# Altium PCB RGV_Control_1V21_unpoly.PcbDoc (part 3 of 5)
Units mm, origin at the board's own origin, x right, y up, seen from the top; angles counter-clockwise.
Board outline 221.11 x 150.42 mm, 4 copper layers (Top Layer, GND, Power, Bottom Layer), stack 1.56 mm thick; 530 components, 870 nets, 2373 pads, 590 vias.
Unrouted connection lines stored in the file: 760.
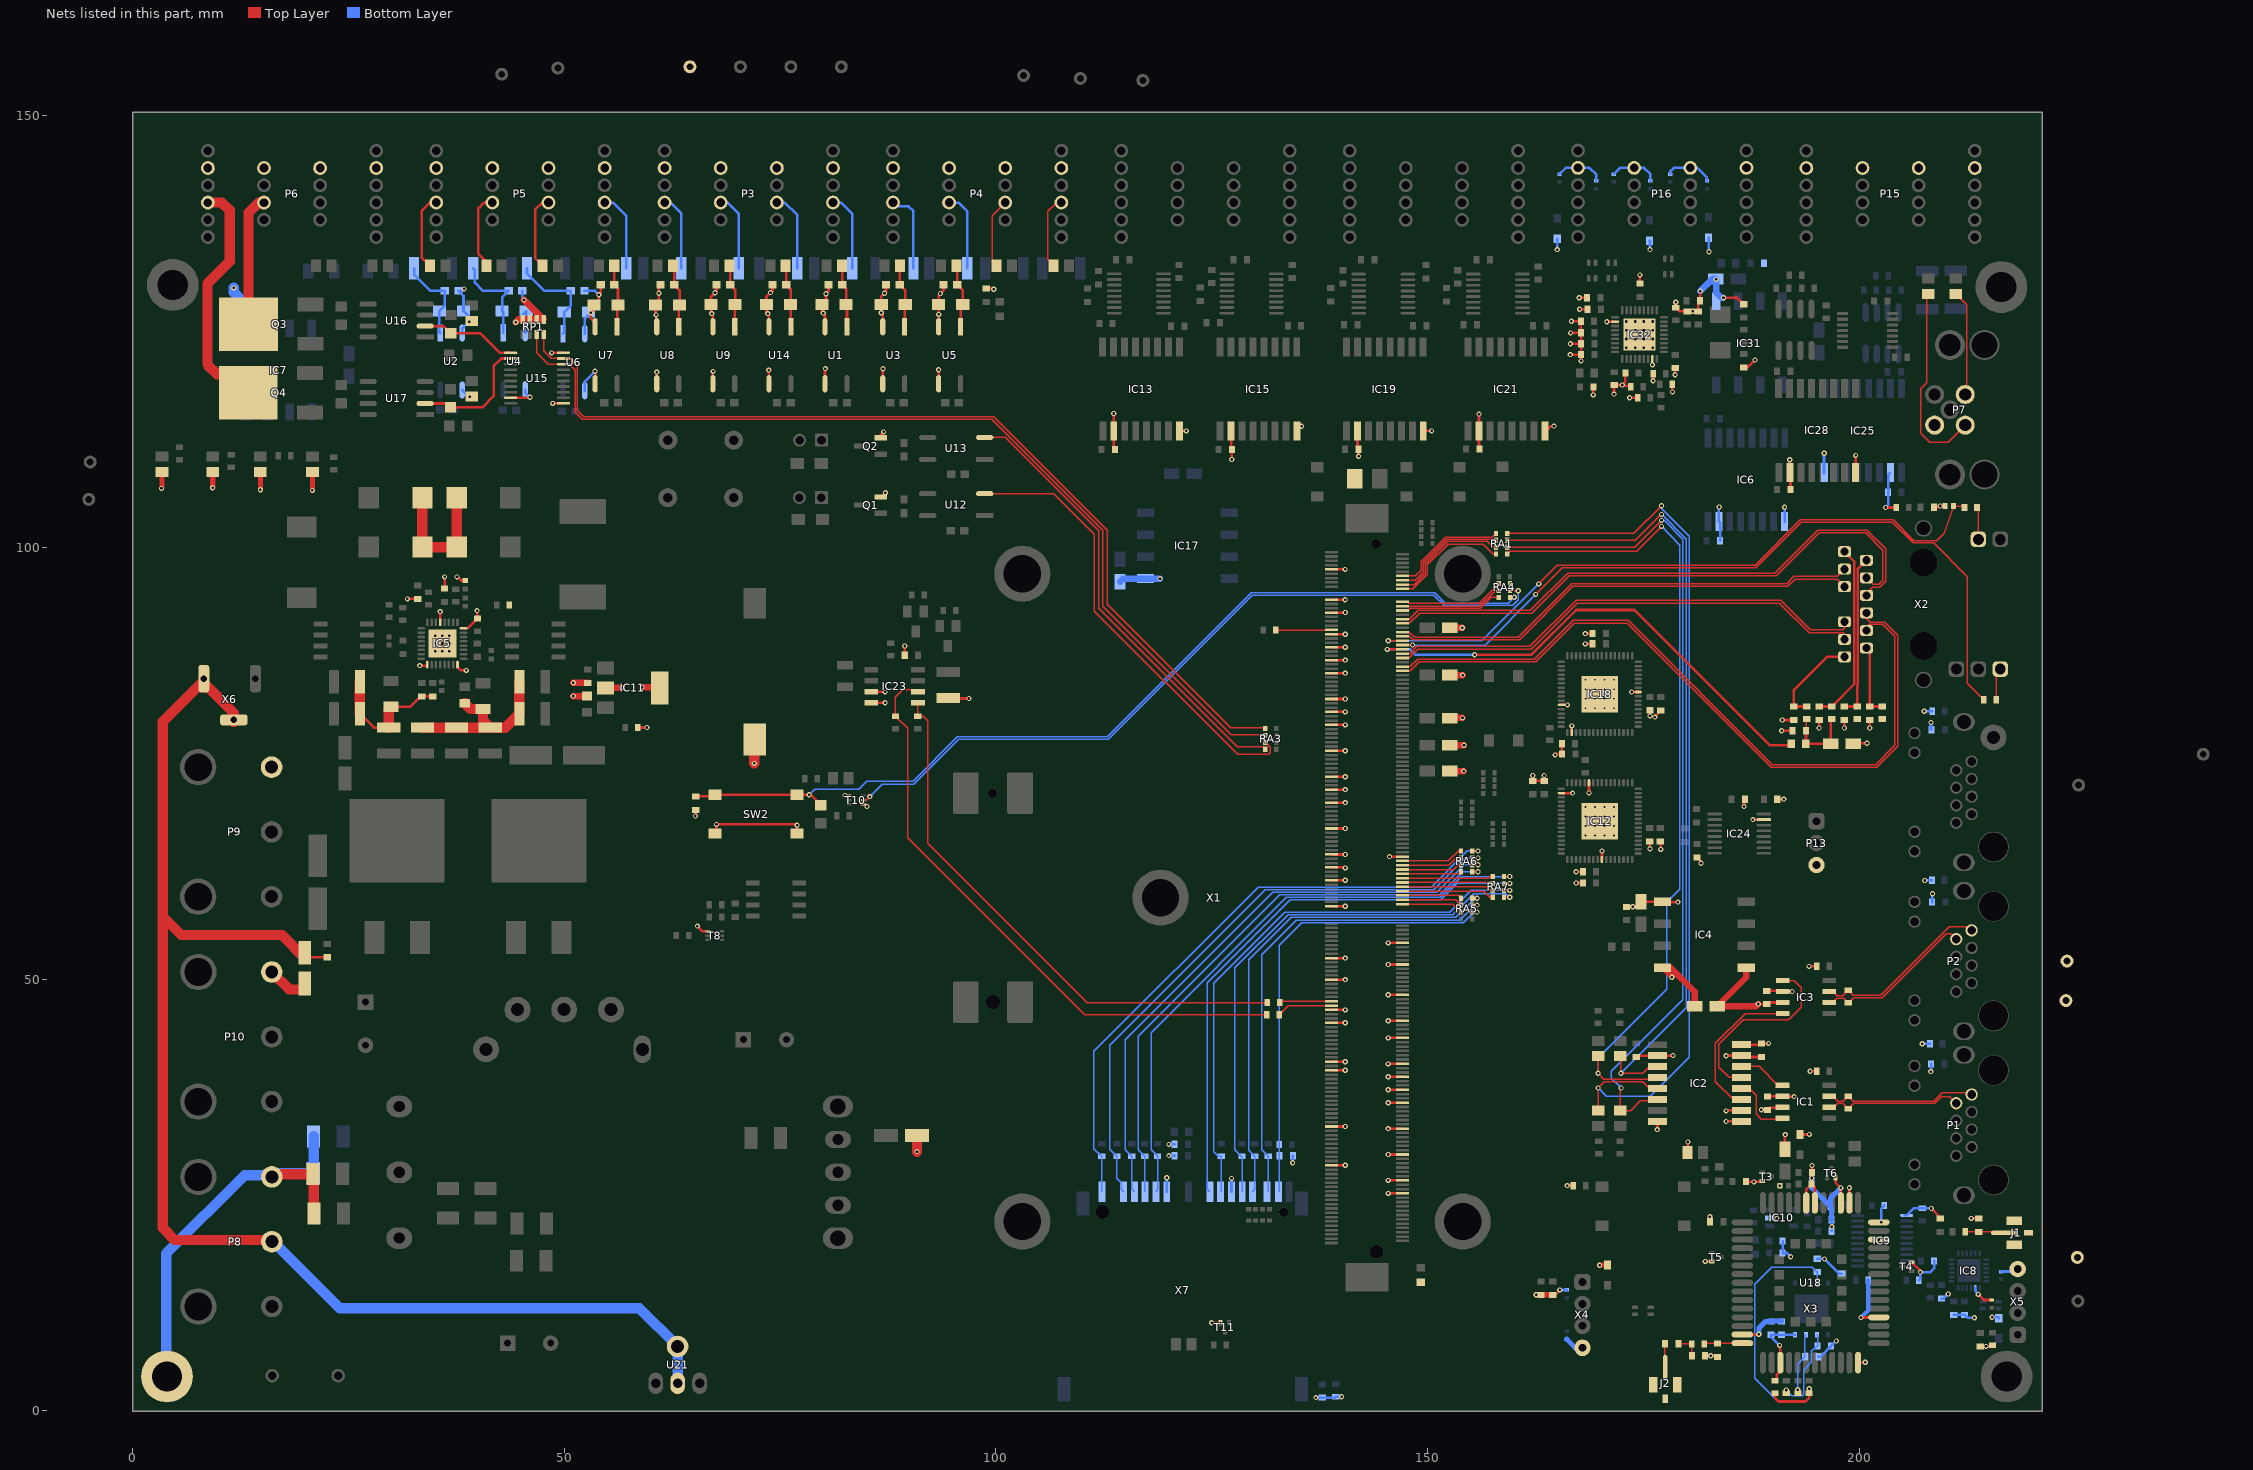
[diagram p5: the nets of this part, all layers, seen from the top]

## Via types
v1: diameter 0.6, hole 0.3, Top Layer to Bottom Layer, 533 vias
v2: diameter 0.5, hole 0.2, Top Layer to Bottom Layer, 32 vias
v3: diameter 0.6, hole 0.3, Top Layer to Bottom Layer, tented bottom, 25 vias

## Nets (pads, with @x,y where several pads share a name; then routed paths per layer and width w, separated by ;. In a path a pad name is that pad's centre, name@x,y a point inside that pad or via, vN(x,y) a via of type N, cw(c..) or ccw(c..) an arc to the next point about the centre after c; other vN are vias at no path point) (continued)
CAN1_H: IC1.7 P1.1 R4.1 | length 17.7
  Top Layer w0.15: IC1.7@196.502,36.398 196.952,36.398 197.464,35.886 198.128,35.886 R4.1@198.704,36.463 199.292,35.875 208.6,35.875 209.575,36.85 212.781,36.85 P1.1@212.979,36.652
CAN1_L: IC1.6 P1.2 R4.2 | length 16.1
  Top Layer w0.15: IC1.6@196.502,35.128 196.953,35.128 197.461,35.636 198.081,35.636 R4.2@198.704,35.013 199.316,35.625 208.704,35.625 209.477,36.398 210.439,36.398 P1.2@211.201,35.636
CAN1_RX: IC2.5 LED2.K RA1.5 | length 107.3
  Top Layer w0.15: RA1.5@159.2,101.625 173.875,101.625 v1(177.075,104.825) ; LED2.K@169.75,34.79 169.75,37.375 v1(169.725,37.4) 170.425,38.1 174.925,38.1 175.696,37.329 IC2.5@176.608,37.329
  Bottom Layer w0.15: v1(169.725,37.4) 170.675,36.45 175.775,36.45 180.3,40.975 180.3,101.272 177.075,104.497 v1(177.075,104.825)
CAN1_RX_ISO: IC1.4 IC2.12 | length 7.5
  Top Layer w0.15: IC2.12@186.308,37.349 187.226,37.349 188.025,36.55 188.025,34.4 188.625,33.8 191.044,33.8 IC1.4@191.102,33.858
CAN1_TX: IC2.3 LED1.K RA1.6 | length 94.7
  Top Layer w0.15: RA1.6@159.2,100.825 174.022,100.825 177.022,103.825 v1(177.075,103.825) ; LED1.K@172.3,41.085 172.372,41.014 v1(172.372,39.1) 174.925,39.1 175.55,39.725 176.464,39.725 IC2.3@176.608,39.869
  Bottom Layer w0.15: v1(172.372,39.1) 179.95,46.678 179.95,66.02 179.95,100.95 v1(177.075,103.825)
CAN1_TX_ISO: IC1.1 IC2.14 | length 5.7
  Top Layer w0.15: IC2.14@186.308,39.889 188.386,39.889 190.607,37.668 IC1.1@191.102,37.668
CAN2_H: IC3.7 P2.1 R8.1 | length 20.6
  Top Layer w0.15: IC3.7@196.502,48.565 196.935,48.565 197.4,48.1 198.085,48.1 R8.1@198.704,48.719 199.274,48.15 202.475,48.15 210.4,56.075 212.555,56.075 P2.1@212.979,55.651
CAN2_L: IC3.6 P2.2 R8.2 | length 18.7
  Top Layer w0.15: IC3.6@196.502,47.295 196.845,47.295 197.35,47.8 198.174,47.8 R8.2@198.704,47.269 199.31,47.875 202.65,47.875 210.025,55.25 210.586,55.25 P2.2@211.201,54.635
CAN2_RX: IC2.6 LED3.K RA1.7 | length 97.5
  Top Layer w0.15: RA1.7@159.2,100.025 173.975,100.025 v1(177.075,103.125) ; v1(172.4,37.4) 172.3,37.3 LED3.K@172.3,34.79 173.515,34.79 174.635,35.91 175.435,35.91 175.584,36.059 IC2.6@176.608,36.059
  Bottom Layer w0.15: v1(172.4,37.4) 171.25,38.55 171.25,39.325 179.55,47.625 179.55,85.167 179.55,100.95 177.375,103.125 v1(177.075,103.125)
CAN2_RX_ISO: IC2.11 IC3.4 | length 17.5
  Top Layer w0.15: IC2.11@186.308,36.079 186.237,36.15 185.325,36.15 183.325,38.15 183.325,42.575 186.775,46.025 IC3.4@191.102,46.025
CAN2_TX: IC2.4 LED4.K RA1.8 | length 96.5
  Top Layer w0.15: RA1.8@159.2,99.225 159.525,99.55 174.2,99.55 v1(177.075,102.425) ; LED4.K@169.75,41.085 169.75,39.125 v1(169.725,39.1) 170.4,38.425 176.434,38.425 IC2.4@176.608,38.599
  Bottom Layer w0.15: v1(169.725,39.1) 169.725,40.875 177.7,48.85 177.7,58.925 179.175,60.4 179.175,100.264 178.05,101.45 v1(177.075,102.425)
CAN2_TX_ISO: IC2.13 IC3.1 | length 21.4
  Top Layer w0.15: IC2.13@185.675,38.85 185.444,38.619 184.906,38.619 183.7,39.825 183.7,42.465 186.56,45.325 191.801,45.325 193.25,46.774 193.25,49.025 192.44,49.835 IC3.1@191.102,49.835 ; IC2.13@186.308,38.619 IC2.13@186.414,38.725
CAN_5V_ISO: C1.2 C2.2 C4.2 C6.1 IC1.3 IC2.10 IC2.16 IC3.3 IC4.5 TP601.1 | length 21.2
  Top Layer w0.3: v1(184.55,34.75) 184.609,34.809 IC2.10@186.308,34.809 ; IC2.16@186.308,42.429 188.541,42.429 C2.2@188.646,42.534 189.449,42.534 v1(189.475,42.56) ; v1(188.275,47.125) 188.3,47.1 C4.2@189.275,47.1 189.47,47.295 IC3.3@191.102,47.295 ; v1(188.646,34.875) C1.2@189.35,34.875 189.603,35.128 IC1.3@191.102,35.128
  Top Layer w0.75: IC4.5@186.892,51.334 186.892,50.237 C6.1@183.52,46.865 188.015,46.865 v1(188.275,47.125)
CAN_GND_ISO: C1.1 C2.1 C4.1 C6.2 IC1.2 IC2.9 IC2.15 IC3.2 IC4.4 R1.2 R7.2 TP602.1 | length 21.8
  Top Layer w0.3: v1@184.55,33.539 IC2.9@186.308,33.539 ; v1(184.55,41.139) 184.57,41.159 IC2.15@186.308,41.159 186.483,40.984 C2.1@188.646,40.984 ; C4.1@189.275,48.65 191.017,48.65 IC3.2@191.102,48.565 192.19,48.565 v1(192.2,48.575) ; C1.1@189.35,36.425 191.075,36.425 191.102,36.398 v1(192.425,36.398) ; v1(194.15,51.475) 194.162,51.487 R7.2@195.058,51.487 ; v1(194.275,39.339) 194.281,39.346 R1.2@195.058,39.346
  Top Layer w0.6: IC4.4@177.192,51.334 178.275,50.251 v1(178.275,50.225)
  Top Layer w0.75: IC4.4@177.192,51.334 178.116,51.334 180.92,48.53 C6.2@180.92,46.865
  other v1: 184.55,33.519
DII01: DI2.A P5.14 | length 9.1
  Top Layer w0.3: DI2.A@34.467,132.625 33.5,133.592 33.5,138.975 34.454,139.929 P5.14@35.406,139.929
DII02: DI4.A P5.10 | length 9.1
  Top Layer w0.3: DI4.A@40.986,132.625 40.986,133.068 40.075,133.979 40.075,139.257 40.747,139.929 P5.10@41.906,139.929
DII03: DI6.A P5.6 | length 8.9
  Top Layer w0.3: DI6.A@47.505,132.625 46.65,133.48 46.65,139.1 47.479,139.929 P5.6@48.193,139.929 P5.6@48.406,139.929
DII04: P5.2 R27.1 | length 9
  Bottom Layer w0.3: P5.2@54.906,139.929 55.671,139.929 57.2,138.4 R27.1@57.2,132.3
DII05: P3.14 R29.1 | length 8.7
  Bottom Layer w0.3: P3.14@61.742,139.929 62.321,139.929 63.575,138.675 R29.1@63.575,132.3
DII06: P3.10 R31.1 | length 8.8
  Bottom Layer w0.3: P3.10@68.242,139.929 68.921,139.929 70.225,138.625 R31.1@70.225,132.3
DII07: P3.6 R47.1 | length 9
  Bottom Layer w0.3: P3.6@74.742,139.929 75.546,139.929 77,138.475 R47.1@77,132.3
DII08: P3.2 R15.1 | length 9
  Bottom Layer w0.3: P3.2@81.242,139.929 82.046,139.929 83.375,138.6 R15.1@83.375,132.3
DII09: P4.14 R19.1 | length 9.4
  Bottom Layer w0.3: P4.14@88.078,139.929 88.507,139.5 89.9,139.5 90.45,138.95 R19.1@90.45,132.3
DII10: P4.10 R23.1 | length 9.1
  Bottom Layer w0.3: P4.10@94.578,139.929 95.671,139.929 96.7,138.9 R23.1@96.7,132.3
DII11: DI8.A P4.6 | length 8.1
  Top Layer w0.15: DI8.A@100.085,132.625 99.575,133.135 99.575,138.427 P4.6@101.078,139.929
DII12: DI9.A P4.2 | length 8.4
  Top Layer w0.15: DI9.A@106.679,132.715 106.025,133.369 106.025,138.9 107.054,139.929 P4.2@107.578,139.929
DII13: DI10.A P7.3 | length 12.3
  Top Layer w0.15: DI10.A@211.15,129.335 212.397,128.088 212.397,117.704 P7.3@212.242,117.704
DII14: DI12.A P7.4 | length 22.9
  Top Layer w0.15: DI12.A@207.975,129.335 207.8,129.16 207.8,119.075 207.1,118.375 207.1,113.225 208.15,112.175 210.254,112.175 P7.4@212.242,114.164
DO0: RA3.8 RP1.5 U15.9 | length 111.5
  Top Layer w0.15: RP1.5@47.625,124.658 47.625,122.778 48.53,121.874 U15.9@49.913,121.874 50.626,121.874 51.55,120.95 51.55,115.9 52.3,115.15 99.725,115.15 112.875,102 112.875,93.425 127.2,79.1 131.1,79.1 RA3.8@131.175,79.025
DO1: RA3.7 RP1.6 U15.8 | length 112.8
  Top Layer w0.15: RP1.6@46.825,124.658 46.825,122.55 48.151,121.224 U15.8@49.913,121.224 50.576,121.224 51.3,120.5 51.3,115.65 52.1,114.85 99.5,114.85 112.35,102 112.35,93.194 127.244,78.3 131.1,78.3 RA3.7@131.175,78.225
DO2: RA3.6 U12.2 | length 52.4
  Top Layer w0.15: U12.2@98.702,106.223 106.677,106.223 111.4,101.5 111.4,92.625 128,76.025 131.575,76.025 131.75,76.2 131.75,76.85 RA3.6@131.175,77.425 RA3.6@131.1,77.5
DO3: RA3.5 U13.2 | length 52.7
  Top Layer w0.15: U13.2@98.702,112.725 101.075,112.725 111.884,101.916 111.884,92.946 111.881,92.942 127.923,76.9 130.9,76.9 RA3.5@131.175,76.625
DO10: R55.2 U15.11 U16.2 | length 11.2
  Top Layer w0.3: U16.2@33.907,125.628 36.059,125.628 R55.2@36.881,124.807 40.268,124.807 42.551,122.524 U15.11@43.813,122.524
DO11: R56.2 U15.12 U17.2 | length 14.5
  Top Layer w0.3: U17.2@33.907,116.662 36.39,116.662 R56.2@36.83,116.222 40.547,116.222 41.85,117.525 41.85,121 42.724,121.874 U15.12@43.813,121.874
DOO01: P6.10 Q3.4 | length 15.2
  Top Layer w1.2: Q3.4@13.453,125.857 13.453,138.75 14.628,139.925 P6.10@15.25,139.925
DOO02: P6.14 Q4.4 | length 27.9
  Top Layer w1.2: P6.14@8.75,139.929 10.371,139.929 11.275,139.025 11.275,133.125 8.7,130.55 8.7,121.175 9.817,120.058 11.275,120.058 Q4.4@13.411,117.922
EARTH: C57.1 C58.1 P8.1 pad.@4.013,3.988 Y1.2 Y2.2 | length 48.9
  Top Layer w1.2: P8.1@16.145,27.294 16.284,27.432 Y1.2@20.917,27.432 21.018,27.33 C58.1@21.018,22.86
  Bottom Layer w1.2: pad.@4.013,3.988 3.937,4.064 3.937,18.237 12.993,27.294 16.145,27.294 16.385,27.534 C57.1@20.942,27.534 ; C57.1@20.993,27.483 C57.1@20.942,27.534 ; Y2.2@20.993,31.801 20.993,27.584 C57.1@20.942,27.534
ETH1_ACT: C8.2 R9.1 X1.42 | length 77.5
  Top Layer w0.15: v1@145.703,89.196 X1.42@147.062,89.196 ; v1(162.85,95.775) 165,97.925 187.9,97.925 193.15,103.175 203.886,103.175 206.273,100.787 208.94,100.787 209.798,101.645 C8.2@210.904,104.791 211.984,104.791 R9.1@212.152,104.623
  Bottom Layer w0.15: v1(145.428,89.196) 156.271,89.196 v1(162.85,95.775)
ETH1_ACT_C: R9.2 X2.13 | length 3.7
  Top Layer w0.15: R9.2@213.602,104.623 213.757,104.468 X2.13@213.757,100.94
ETH1_CTREF: L2.1 X1.46 | length 57.5
  Top Layer w0.3: v1(145.313,88.189) 145.321,88.196 X1.46@147.062,88.196 ; v1(155.425,87.575) 162.025,87.575 167.2,92.75 173.95,92.75 189.6,77.1 191.957,77.1 L2.1@192.124,77.267
  Bottom Layer w0.3: v1(145.313,88.189) 145.321,88.196 147.96,88.196 148.606,87.55 148.631,87.575 v1(155.425,87.575)
ETH1_CTREF_0: C9.2 R11.2 X2.12 | length 10.8
  Top Layer w0.3: R11.2@193.878,81.578 192.417,81.578 C9.2@192.405,81.566 192.405,83.49 196.24,87.325 X2.12@198.263,87.325
ETH1_CTREF_1: C10.2 R12.2 X2.6 | length 8.4
  Top Layer w0.3: X2.6@200.803,88.341 201.168,87.977 C10.2@201.168,81.566 201.18,81.578 R12.2@202.641,81.578
ETH1_CTREF_2: C12.2 R13.2 X2.1 | length 18.8
  Top Layer w0.3: C12.2@198.247,81.566 198.259,81.578 R13.2@199.72,81.578 199.72,83.934 199.791,84.005 199.791,97.489 X2.1@200.803,98.501
ETH1_CTREF_3: C14.2 R14.2 X2.7 | length 21
  Top Layer w0.3: C14.2@195.326,81.566 195.338,81.578 R14.2@196.799,81.578 199.391,84.171 199.391,98.389 X2.7@198.263,99.517
ETH1_CTREF_ALL: C11.2 C13.1 L2.2 R11.1 R12.1 R13.1 R14.1 | length 8.7
  Top Layer w0.15: C11.2@193.815,78.765 193.815,80.065 R11.1@193.878,80.128
  Top Layer w0.3: C11.2@193.815,78.765 193.804,78.754 L2.2@193.804,77.267 C13.1@196.668,77.267 196.668,79.997 R14.1@196.799,80.128
ETH1_LINK: R10.1 X1.44 | length 89
  Top Layer w0.15: X1.44@147.062,88.696 v1(148.238,88.696) ; v1(162.5,94.55) 165.6,97.65 188,97.65 193.275,102.925 203.782,102.925 206.199,100.508 208.585,100.508 212.471,96.622 212.471,84.275 R10.1@214.374,82.372
  Bottom Layer w0.15: v1(148.238,88.696) 156.646,88.696 v1(162.5,94.55)
ETH1_LINK_C: R10.2 X2.17 | length 3.7
  Top Layer w0.15: R10.2@215.824,82.372 215.824,85.429 X2.17@216.297,85.903
ETH1_MDI0_N: X1.48 X2.10 | length 56
  Top Layer w0.15: X1.48@147.062,87.706 147.92,87.706 148.739,88.525 161.837,88.525 167.19,93.878 190.863,93.878 194.292,90.449 198.044,90.449 198.263,90.669 X2.10@198.263,91.389
ETH1_MDI0_P: X1.50 X2.11 | length 55.9
  Top Layer w0.15: X1.50@147.062,87.196 147.876,87.196 148.875,88.195 161.973,88.195 167.327,93.548 190.726,93.548 194.155,90.119 198.094,90.119 198.263,89.95 X2.11@198.263,89.357
ETH1_MDI1_N: X1.54 X2.5 | length 84.1
  Top Layer w0.15: X1.54@147.062,86.196 147.943,86.196 148.822,87.075 162.358,87.075 166.833,91.55 173.22,91.55 189.916,74.854 201.854,74.854 204.089,77.089 204.089,89.713 202.717,91.084 201.117,91.084 200.803,90.771 X2.5@200.803,90.373
ETH1_MDI1_P: X1.56 X2.4 | length 85.5
  Top Layer w0.15: X1.56@147.062,85.696 147.986,85.696 149.035,86.745 162.495,86.745 166.97,91.22 173.083,91.22 189.779,74.524 201.99,74.524 204.419,76.952 204.419,89.849 202.93,91.338 201.244,91.338 200.803,91.779 X2.4@200.803,92.405
ETH1_MDI2_N: X1.34 X2.2 | length 66.7
  Top Layer w0.15: X1.34@147.062,91.196 147.887,91.196 149.057,92.366 162.035,92.366 166.369,96.7 190.334,96.7 195.31,101.676 200.727,101.676 202.718,99.685 202.718,96.214 202.21,95.707 201.565,95.707 X2.2@200.803,96.469
ETH1_MDI2_P: X1.32 X2.3 | length 68
  Top Layer w0.15: X1.32@147.062,91.696 147.887,91.696 148.887,92.696 161.899,92.696 166.233,97.03 190.197,97.03 195.174,102.006 200.863,102.006 203.048,99.822 203.048,96.078 202.372,95.402 201.524,95.402 200.803,94.682 X2.3@200.803,94.437
ETH1_MDI3_N: X1.40 X2.9 | length 54.6
  Top Layer w0.15: X1.40@147.062,89.696 147.887,89.696 148.302,89.281 160.63,89.281 166.824,95.475 191.7,95.475 192.542,96.317 197.4,96.317 X2.9@198.263,95.453
ETH1_MDI3_P: X1.38 X2.8 | length 54.7
  Top Layer w0.15: X1.38@147.062,90.196 147.887,90.196 148.472,89.611 160.493,89.611 166.687,95.805 191.563,95.805 192.405,96.647 197.425,96.647 X2.8@198.263,97.485
GND: BAT1.2 C3.1 C5.2 C7.1 C8.1 C9.1 C10.1 C11.1 C12.1 C13.2 C14.1 C15.2 C16.2 C17.2 C18.2 C19.2 C20.2 C21.2 C22.1 C24.2 C25.2 C26.2 C27.1 C28.2 C30.1 C31.2 C32.2 C34.1 C35.1 C36.1 C37.2 C38.2 C39.2 C40.1 C41.1 C42.1 C43.2 C44.2 C45.1 C46.2 C47.2 C48.2 C49.1 C50.1 C51.1 C52.1 C59.1 C60.1 C61.1 C62.2 C63.2 C64.2 C65.1 C67.1 C68.2 C69.2 C70.2 C71.1 C72.1 C73.1 C74.1 C75.1 C76.1 C77.2 C79.2 C80.1 C81.1 C82.1 C83.1 C84.2 C86.2 C87.1 C91.1 C92.1 C93.1 C94.1 C95.1 C97.1 C98.1 C105.1 C109.2 C111.1 C114.1 C115.1 C116.1 C117.1 C118.1 C120.1 C121.1 C128.1 C132.1 C133.1 C134.1 C135.1 C136.1 C137.1 C140.1 C141.1 C142.1 C144.2 C146.1 C148.1 C149.1 C150.1 C151.1 C152.1 C153.1 C154.1 C155.1 C156.1 C157.1 C158.1 C159.1 C160.1 C161.1 C162.1 C165.1 C166.1 C167.1 C169.1 C170.1 C171.1 C172.1 C173.1 C174.1 C175.2 C176.2 D1.1 D2.1 D3.1 D4.1 D5.1 D6.1 D7.1 D8.1 D9.1 D12.1 D21.K D22.K D23.K D24.K D27.1 D28.1 D29.1 D30.1 D31.1 D32.1 D33.2 D34.2 D35.2 D36.2 D37.2 D38.1 D39.1 D40.2 D41.1 D42.1 DO1.K DO2.K IC2.2 IC2.8 IC4.1 IC5.5 IC5.17 IC5.24 IC5.32 IC5.33 IC6.9 IC6.15 IC7.1 IC8.2 IC9.11 IC10.2 IC11.2 IC11.4 IC12.2 IC12.25 IC12.59 IC12.65 IC13.2 IC13.8 IC15.2 IC15.8 IC17.1 IC18.2 IC18.25 IC18.59 IC18.65 IC19.2 IC19.8 IC21.2 IC21.8 IC23.3 IC23.4 IC24.15 IC25.2 IC25.8 IC28.2 IC28.8 IC31.1 IC32.11 IC32.37 J1.2 J1.3 J1.4 J2.2 J2.3 J2.4 L7.2 L18.2 L19.2 LED7.K P3.4 P3.8 P3.12 P3.16 P4.4 P4.8 P4.12 P4.16 P5.4 P5.8 P5.12 P5.16 P6.4 P6.8 P6.12 P6.16 P7.1 P9.1 P10.1 P13.3 P15.4 P15.8 P15.12 P15.16 P16.4 P16.8 P16.12 P16.16 Q1.2 Q2.2 R36.1 R37.2 R58.1 R66.2 R67.1 R68.2 R69.1 R70.2 R77.1 R83.2 R84.1 R121.1 R123.2 R124.2 R125.2 R126.1 R127.1 R134.1 R135.1 R141.1 R142.1 R143.1 RP1.1 RP1.2 RP1.3 RP1.4 SW2.1 SW2.2 T3.2 T4.2 T5.2 T6.2 T8.1 T10.1 T10.4 T11.2 TP4.1 TP9.1 U1.2 U1.3 U2.2 U2.3 U3.2 U3.3 U4.2 U4.3 U5.2 U5.3 U6.2 U6.3 U7.2 U7.3 U8.2 U8.3 U9.2 U9.3 U14.2 U14.3 U15.1 U15.10 U15.19 U18.14 U18.27 U18.31 U18.40 U18.42 U18.44 U18.45 U18.48 U18.49 X1.9 X1.23 X1.29 X1.39 X1.45 X1.51 X1.57 X1.69 X1.75 X1.81 X1.93 X1.105 X1.111 X1.117 X1.129 X1.141 X1.142 X1.147 X1.153 X1.165 X1.182 X1.189 X1.192 X1.199 X1.206 X1.213 X1.218 X1.219 X1.226 X1.237 X1.238 X1.241 X1.244 X1.250 X1.256 X1.267 X1.268 X1.280 X1.285 X1.292 X1.298 X4.4 X5.4 X7.6 X7.10 | length 506
  Top Layer w0.3: C72.1@26.356,80.747 27.981,79.122 C81.1@29.682,79.122 ; R83.2@29.936,81.533 32.171,81.533 C80.1@33.518,82.88 ; v1(31.852,94.031) 33.061,94.031 C87.1@33.048,94.018 ; v1(33.274,86.309) 34.04,86.309 IC5.17@34.155,86.425 ; C80.1@33.518,82.753 C67.1@34.788,82.753 ; IC5.5@35.655,91.325 v1(35.655,92.564) ; C74.1@36.155,95.238 v1(36.155,96.582) ; v1@37.592,96.545 37.712,96.545 38.087,96.17 C75.1@38.544,96.17 ; IC5.24@37.655,86.425 37.655,86.17 38.075,85.75 v1(38.659,85.75) ; IC5.32@38.355,90.625 38.835,90.625 R36.1@39.969,91.759 39.929,91.799 v1(39.929,92.685) ; U15.19@43.813,117.324 45.999,117.324 v1(46.05,117.375) ; v1(48.55,122.525) 48.551,122.524 U15.10@49.913,122.524 ; v1(48.675,116.674) U15.1@49.913,116.674 ; C73.1@52.654,84.213 C73.1@52.756,84.315 ; v1(53.575,120.396) 53.594,120.377 U7.3@53.594,118.95 ; U7.2@53.594,125.55 53.594,126.062 53.075,126.581 v1(53.075,127.15) 53.442,127.517 D7.1@53.442,128.092 54.025,128.676 v1(54.025,129.25) 54.229,129.454 C21.2@54.229,130.404 ; R84.1@58.535,79.144 v1(59.588,79.144) ; U8.3@60.731,118.95 v1(60.731,120.3) ; U8.2@60.731,125.55 60.65,125.632 v1(60.65,126.925) 60.579,126.996 D8.1@60.579,128.092 60.975,128.488 v1(60.975,129.425) 60.975,130.215 C24.2@61.163,130.404 ; v1(65.2,68.9) 65.236,68.936 C167.1@65.236,69.612 ; v1(65.43,56.141) 66.023,55.548 T8.1@66.676,55.548 ; U9.3@67.225,118.95 67.225,120.35 v1(67.25,120.375) ; U9.2@67.225,125.55 67.225,126.945 v1(67.1,127.07) 67.005,127.165 D9.1@67.005,128.118 67.005,129.005 v1(67.475,129.475) 67.649,129.649 C25.2@67.649,130.404 ; SW2.1@67.471,66.869 67.649,67.046 v1(67.649,67.925) 76.867,67.925 76.971,67.821 SW2.2@76.971,66.869 ; v1(73.7,120.525) 73.719,120.506 U14.3@73.719,118.95 ; U14.2@73.719,125.55 73.719,126.942 v1(73.587,127.075) 73.431,127.23 D12.1@73.431,128.118 73.431,129.031 v1(73.9,129.5) 74.134,129.734 C26.2@74.134,130.404 ; U1.3@80.213,118.95 80.213,120.663 v1(80.25,120.7) ; U1.2@80.213,125.55 80.213,126.91 v1(80,127.123) 79.858,127.266 D1.1@79.858,128.118 80.325,128.585 v1(80.325,129.375) 80.62,129.67 C15.2@80.62,130.404 ; v1(82.529,71.278) 82.571,71.237 T10.4@83.005,71.237 ; T10.1@84.585,70.237 84.888,70.237 85.075,70.05 v1(85.075,70) ; IC23.4@85.565,82.017 v1(87.173,82.017) ; IC23.3@85.565,83.287 85.59,83.261 v1(87.173,83.261) v1@87.249,83.261 ; Q1.2@86.671,105.852 86.727,105.852 v1(87.2,106.325) ; Q2.2@86.671,112.685 86.671,113.046 v1(87,113.375) ; U3.3@86.893,118.95 86.893,120.643 v1(86.925,120.675) ; U3.2@86.893,125.55 86.893,127.007 v1(86.725,127.175) 86.716,127.184 D3.1@86.716,128.118 86.716,129.041 v1(87.1,129.425) 87.274,129.599 C17.2@87.274,130.404 ; C133.1@89.446,87.528 v1(89.446,88.582) ; U5.3@93.37,118.95 v1(93.37,120.575) ; U5.2@93.37,125.55 93.37,126.97 v1(93.375,126.975) 93.375,128.113 D5.1@93.37,128.118 93.37,129.195 v1(93.575,129.4) 93.929,129.754 C19.2@93.929,130.404 ; C132.1@94.361,82.7 C132.1@94.499,82.561 94.79,82.271 95.019,82.499 v1(96.876,82.499) ; C27.1@98.877,129.985 99.485,129.985 99.5,130 99.65,130 v1(99.75,129.9) ; v1(113.65,115.5) IC13.2@113.65,113.489 113.65,111.458 C98.1@113.78,111.328 ; IC13.8@121.27,113.489 v1(122.039,113.489) ; v1(124.975,10.225) 124.986,10.214 T11.2@126.017,10.214 ; IC15.2@127.239,113.489 127.239,111.407 C105.1@127.318,111.328 v1@127.318,110.357 ; IC15.8@134.859,113.489 v1(135.4,114.03) ; X1.285@138.862,28.446 v1@140.32,28.446 ; X1.267@138.862,32.946 v1(140.444,32.946) v1@140.46,32.946 ; X1.241@138.862,39.446 v1@140.411,39.446 ; X1.237@138.862,40.446 v1@140.313,40.446 ; X1.219@138.862,44.946 v1@140.195,44.946 ; X1.213@138.862,46.446 v1@140.248,46.446 ; X1.199@138.862,49.946 v1@140.293,49.946 ; X1.189@138.862,52.446 v1@140.302,52.446 ; X1.165@138.862,58.446 v1@140.307,58.446 ; X1.153@138.862,61.446 v1@140.255,61.446 ; X1.147@138.862,62.946 138.867,62.941 140.259,62.941 v1@140.31,62.89 ; X1.141@138.862,64.446 138.868,64.44 v1@140.31,64.44 ; X1.129@138.862,67.446 v1@140.208,67.446 ; X1.117@138.862,70.446 v1(140.444,70.446) v1@140.476,70.446 ; X1.111@138.862,71.946 v1(140.444,71.946) v1@140.526,71.946 ; X1.105@138.862,73.446 v1(140.444,73.446) v1@140.524,73.446 ; X1.93@138.862,76.446 v1(140.444,76.446) v1@140.585,76.446 ; X1.81@138.862,79.446 v1(140.444,79.446) ; X1.75@138.862,80.946 v1(140.444,80.946) v1@140.517,80.946 ; X1.69@138.862,82.446 v1(140.444,82.446) v1@140.51,82.446 ; X1.57@138.862,85.446 v1@140.258,85.446 ; X1.51@138.862,86.946 v1@140.308,86.946 ; X1.45@138.862,88.446 v1@140.383,88.446 ; X1.39@138.862,89.946 v1(140.444,89.946) ; X1.29@138.862,92.446 140.477,92.446 v1@140.487,92.456 ; X1.23@138.862,93.946 v1(140.44,93.946) ; X1.9@138.862,97.446 v1(140.44,97.446) ; IC19.2@141.869,113.489 141.869,111.509 C121.1@141.999,111.379 v1(141.999,110.549) ; v1@145.431,37.196 X1.250@147.062,37.196 ; v1@145.466,26.696 X1.292@147.062,26.696 ; v1@145.467,25.196 X1.298@147.062,25.196 ; v1@145.495,29.696 X1.280@147.062,29.696 ; v1@145.498,51.696 X1.192@147.062,51.696 ; v1@145.561,32.696 X1.268@147.062,32.696 ; v1(145.578,64.196) X1.142@147.062,64.196 ; v1@145.655,38.696 X1.244@147.062,38.696 ; v1@145.66,35.696 X1.256@147.062,35.696 ; v1@145.678,45.196 X1.218@147.062,45.196 ; v1@145.718,40.196 X1.238@147.062,40.196 ; v1@145.72,43.196 X1.226@147.062,43.196 ; 145.783,48.196 X1.206@147.062,48.196 ; 145.89,54.196 X1.182@147.062,54.196 ; IC19.8@149.489,113.489 v1(150.447,113.489) ; v1(155.941,115.434) IC21.2@155.941,113.489 155.944,113.486 C128.1@155.944,111.425 ; v1@162.154,73.482 C91.1@162.154,72.962 C97.1@163.5,72.962 163.474,72.988 v1(163.474,73.584) ; IC21.8@163.561,113.489 163.624,113.425 164.249,114.05 v1(164.625,114.05) ; C39.2@164.465,13.449 164.724,13.449 v1(165.3,14.025) ; v1(164.75,75.975) 164.85,76.075 C114.1@165.55,76.075 165.525,76.1 C120.1@165.525,77.275 ; IC12.2@165.476,71.551 165.477,71.552 v1(166.776,71.552) ; IC18.59@165.476,81.757 v1(166.182,81.757) ; v1(166.15,26.1) 166.164,26.086 R58.1@166.839,26.086 ; v1(166.501,122.326) C149.1@167.766,122.326 ; v1(166.525,123.571) C150.1@167.766,123.571 ; v1(166.55,124.841) C159.1@167.74,124.841 ; v1(166.637,126.187) C158.1@167.729,126.187 167.74,126.176 C159.1@167.74,124.841 ; IC18.2@166.676,78.557 v1(166.676,79.324) ; v1(167.183,62.433) C94.1@167.957,62.433 ; v1(167.208,61.138) C93.1@167.957,61.138 ; v1(167.545,128.905) C156.1@168.465,128.905 ; v1(167.591,127.584) C154.1@168.491,127.584 ; v1(167.766,121.591) C149.1@167.766,122.326 ; v1@168.275,88.852 C118.1@169.1,88.852 ; v1@168.312,90.021 C115.1@169.137,90.021 ; v1(168.676,71.572) IC12.59@168.676,72.751 ; v1(169.177,117.652) C111.1@169.177,118.567 ; IC12.25@170.18,63.851 v1(170.18,64.846) ; v1(170.75,126.136) IC32.11@171.7,126.136 ; v1(171.576,117.75) 171.576,118.781 R123.2@171.602,118.807 v1(172.518,118.807) ; C151.1@172.885,120.193 172.885,119.175 v1(172.518,118.807) ; C7.1@173.025,58.383 v1(173.75,58.383) 174.121,58.383 C5.2@174.701,58.964 174.71,58.954 IC4.1@177.192,58.954 177.221,58.925 v1(178.975,58.925) ; v1(173.375,117.325) 173.377,117.323 R125.2@174.306,117.323 ; R124.2@173.525,118.6 173.405,118.72 172.605,118.72 v1(172.518,118.807) ; v1(173.613,83.257) IC18.25@174.376,83.257 ; C3.1@174.142,40.984 174.298,41.139 IC2.2@176.608,41.139 178.38,41.139 v1(178.4,41.159) ; C155.1@174.574,130.569 v1(174.574,131.549) ; v1@175.689,65.1 C95.1@175.689,65.95 ; v1(175.743,80.493) C117.1@175.743,81.14 ; v1(176.095,119.3) 176.1,119.305 R127.1@176.1,120.125 ; v1(176.309,80.354) 176.309,80.436 C116.1@176.987,81.115 ; v1(176.575,32.588) 176.608,32.621 IC2.8@176.608,33.519 ; v1(176.975,65.025) 176.975,65.71 C92.1@177.216,65.951 ; R121.1@178.325,118.875 178.325,118.025 v1(178.35,118) ; v1(178.65,120) C153.1@178.65,120.75 ; v1(178.725,128.375) 178.74,128.36 R126.1@178.74,127.75 179.155,127.335 C161.1@180.061,127.335 v1(180.7,127.335) C162.1@181.331,127.335 181.331,128.359 C152.1@181.521,128.549 181.575,128.603 v1(181.575,129.675) ; LED7.K@180.11,29.942 180.11,31.135 v1(180.125,31.15) ; C141.1@181.178,64.097 181.65,63.625 v1(181.65,63.425) ; C34.1@182.131,6.385 182.76,6.385 v1(182.775,6.4) 183.436,6.4 C35.1@183.566,6.27 ; v1(182.131,17.325) 182.133,17.323 T5.2@182.905,17.323 ; v1(184.25,128.905) 185.839,128.905 C157.1@186.588,128.156 ; U18.14@186.435,8.85 188.3,8.85 v1(188.325,8.875) ; C160.1@186.588,120.84 187.04,120.84 v1(187.9,121.7) ; v1(186.625,70) 186.625,70.75 C140.1@186.725,70.85 ; C30.1@186.855,26.568 186.899,26.525 v1(187.775,26.525) 188.65,26.525 T3.2@188.75,26.625 ; v1(187.65,68.478) IC24.15@188.93,68.478 ; C137.1@190.475,70.85 v1(191.225,70.85) ; v1(190.983,78.765) C11.1@192.265,78.765 ; v1(191.052,80.016) C9.1@192.405,80.016 ; C175.2@191.364,30.332 191.364,31.964 v1(191.4,32) ; v1(191.925,110.15) 191.932,110.143 IC28.2@191.932,108.688 192.012,108.609 C146.1@192.012,106.705 ; D36.2@193.116,32.016 194.191,32.016 v1(194.2,32.025) ; U18.49@193.835,24.1 193.835,25.661 C173.1@194.462,26.289 ; v1(194.462,26.975) C173.1@194.462,26.289 ; C172.1@194.501,27.61 v1(194.5,28.425) ; U18.48@194.835,24.1 194.835,25.686 194.825,25.696 194.825,25.926 C173.1@194.462,26.289 ; v1(195.326,79.082) C14.1@195.326,80.016 ; T6.2@197.231,27.01 197.231,26.429 v1(197.835,25.825) U18.45@197.835,24.1 ; v1(198.247,79.082) C12.1@198.247,80.016 ; v1(198.825,25.85) 198.835,25.84 U18.44@198.835,24.1 ; C13.2@199.268,77.267 199.318,77.318 v1(200.863,77.318) ; v1(199.55,110.65) 199.552,110.648 IC28.8@199.552,108.688 ; U18.27@199.835,5.6 200.625,5.6 v1(200.675,5.65) ; v1(200.175,10.825) 202.21,10.825 U18.31@202.235,10.85 ; v1@201.168,78.918 C10.1@201.168,80.016 ; v1(202.235,19.825) U18.40@202.235,19.85 ; U18.42@202.235,21.85 v1(202.525,21.85) ; v1(203.022,104.623) R134.1@204.253,104.623 ; T4.2@206.019,17.221 207.05,16.191 v1(207.05,16.075) ; v1(208.325,23.45) 209.349,22.426 C31.2@209.349,22.3 ; C165.1@208.623,104.635 209.175,104.635 v1(209.331,104.791) C8.1@209.924,104.791 ; v1(212.95,22.3) C32.2@213.825,22.3 ; v1(213.76,13.501) 214.411,12.85 D42.1@215.325,12.85 ; v1(214.65,7.48) 215.281,7.48 R66.2@215.392,7.591 ; C159.1@167.74,124.841 167.766,124.815 C150.1@167.766,123.571 ; C149.1@167.766,122.326 C150.1@167.766,123.571